# KiCad board MSX OPL4 Wozblaster.kicad_pcb
title: The Wozblaster Reloaded; date: 2023-01-01; rev: 1.1; note: Reloaded by Cristiano Goncalves; note: Original project by Gustavo Iriarte; note: The Retro Hacker
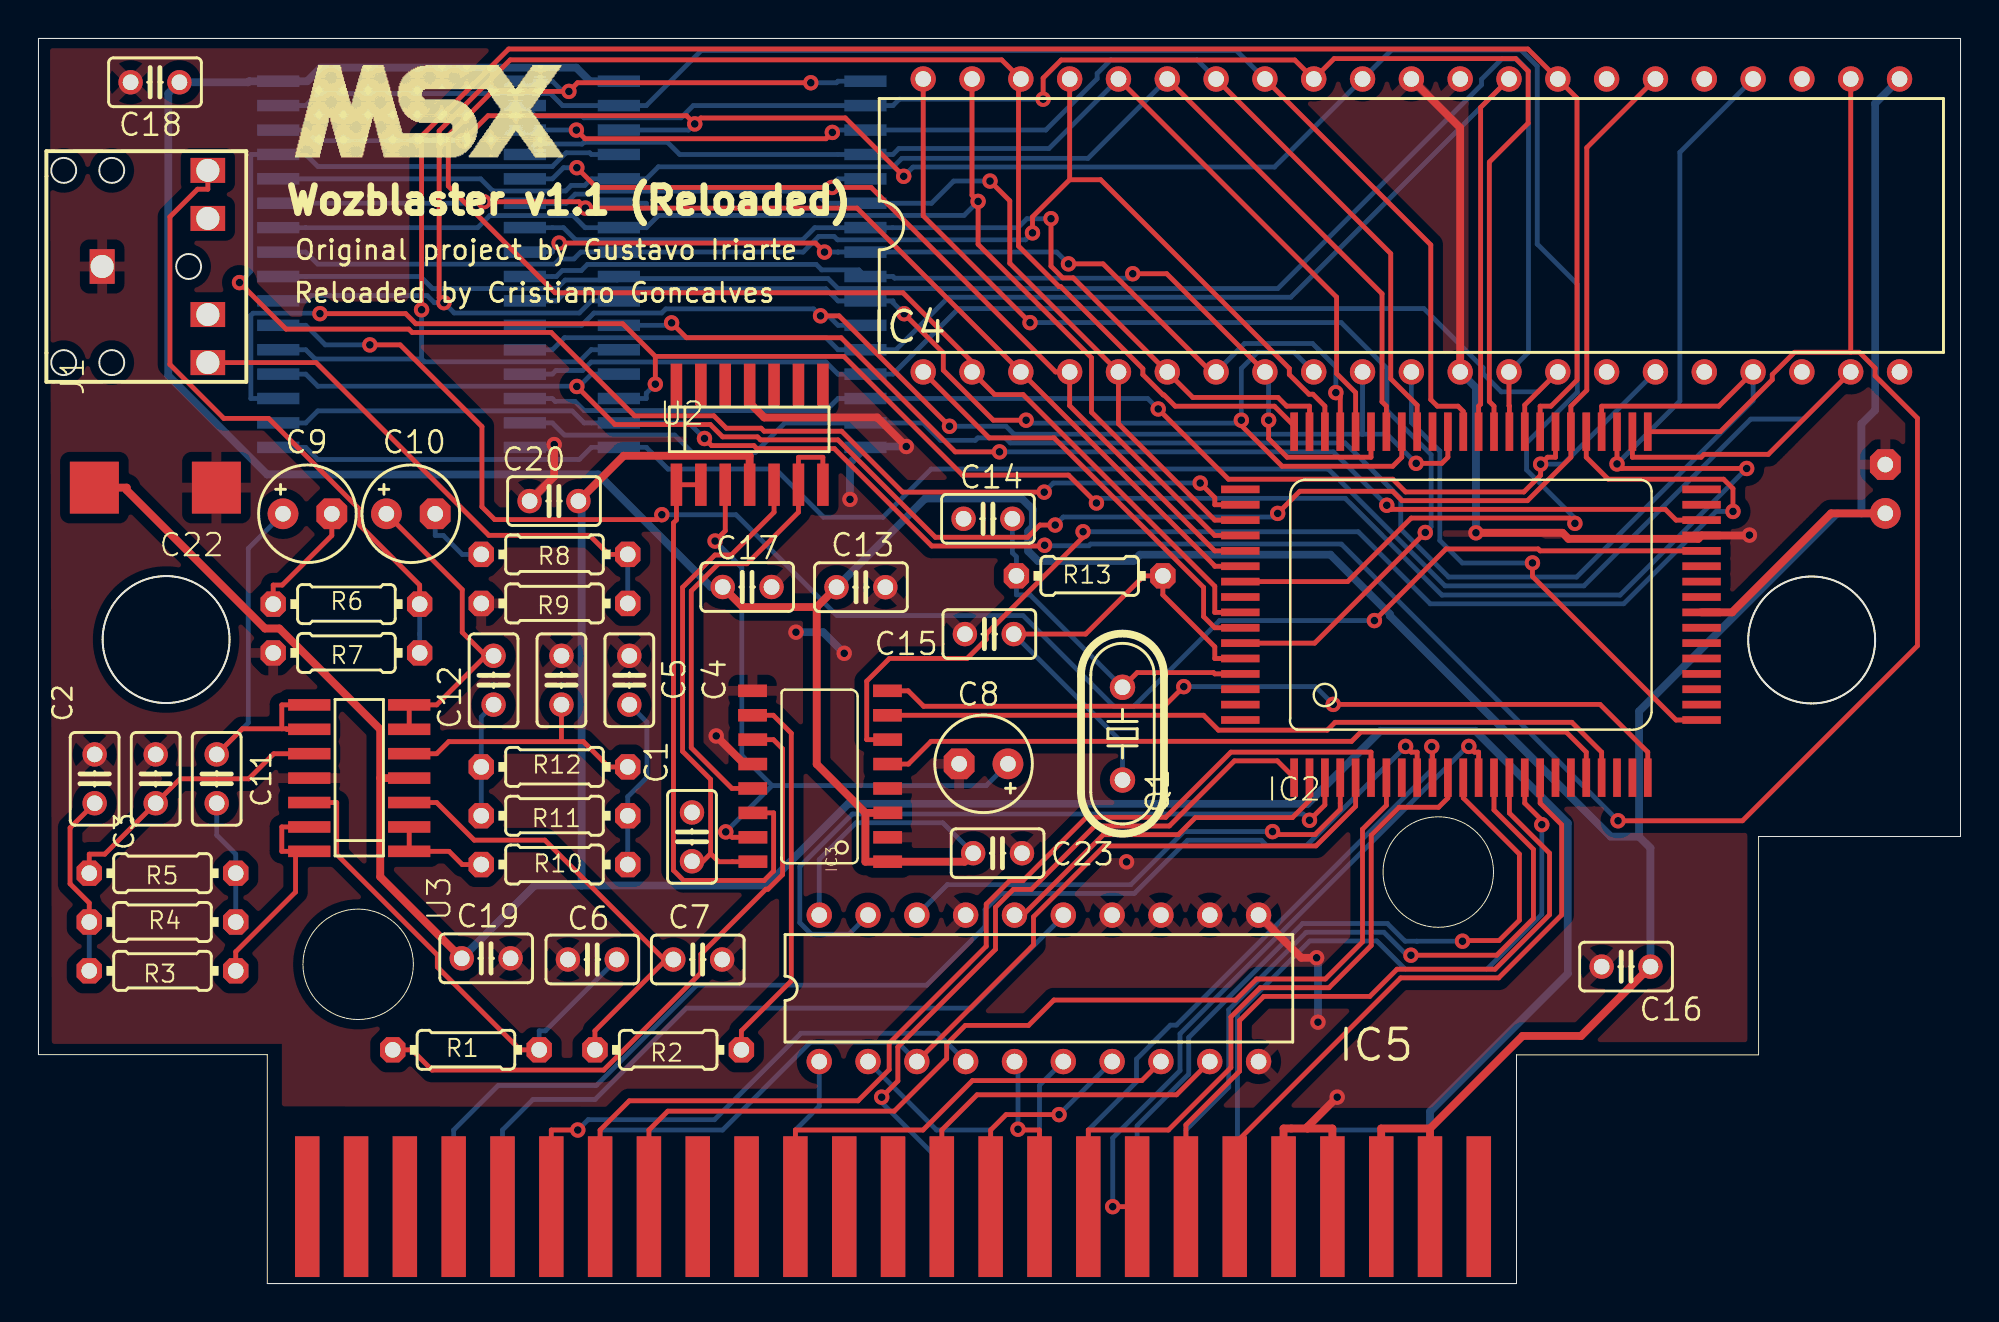
[diagram p0: board, top side]
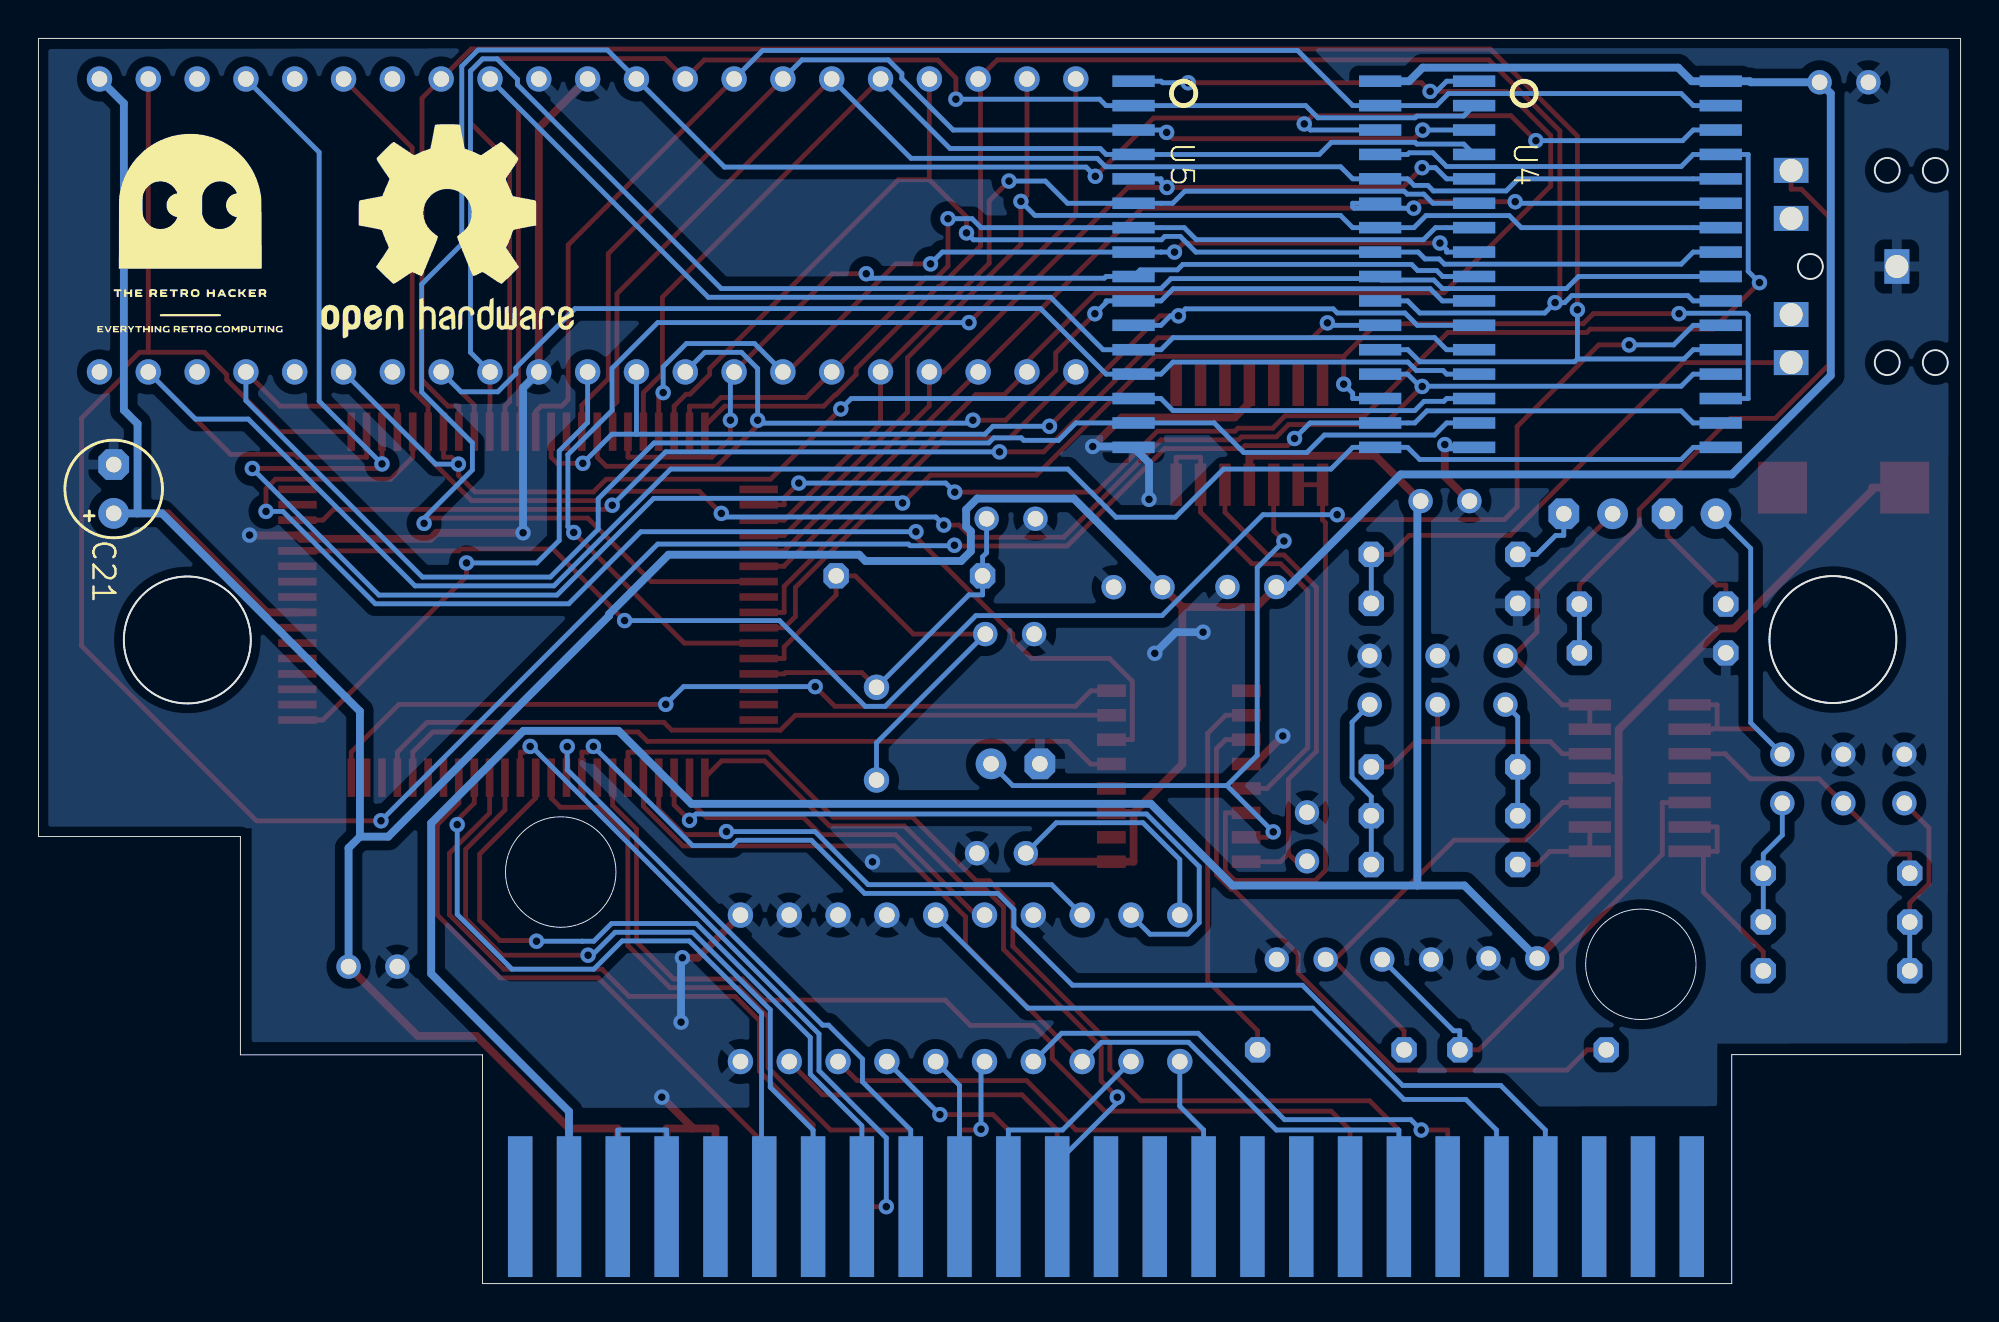
[diagram p1: board, bottom side, seen from below]

Outline 100.01 x 64.78 mm; copper layers: Top, Bottom. Coordinates in mm from the lower left corner of the outline.
Stack: Top 0.035mm / dielectric 1.51mm FR4 er 4.5 / Bottom 0.035mm

## Placement (name value [footprint] x y rotation side)
C1  10pF  [C2.5-2]  34.01 23.24 270 top
C2  330nF  [C2.5-2]  2.92 26.26 90 top
C3  2.2nF  [C2.5-2]  6.1 26.26 90 top
C4  15nF  [C2.5-2]  30.74 31.39 90 top
C5  2.2nF  [C2.5-2]  27.21 31.39 90 top
C6  2.2nF  [C2.5-2]  28.82 16.86 180 top
C7  2.2nF  [C2.5-2]  34.3 16.86 0 top
C8  10uF 16V  [E2,5-5]  49.17 27.04 180 top
C9  22uF 16v  [E2,5-5]  14 40.05 0 top
C10  22uF 16v  [E2,5-5]  19.38 40.05 0 top
C11  15nF  [C2.5-2]  9.28 26.26 90 top
C12  330nF  [C2.5-2]  23.68 31.39 90 top
C13  100nF  [C2.5-2]  42.8 36.23 0 top
C14  12pF  [C2.5-2]  49.41 39.79 180 top
C15  12pF  [C2.5-2]  49.48 33.79 180 top
C16  100nF  [C2.5-2]  82.61 16.49 180 top
C17  100nF  [C2.5-2]  36.88 36.24 0 top
C18  100nF  [C2.5-2]  6.06 62.5 180 top
C19  100nf  [C2.5-2]  23.3 16.92 0 top
C20  100nf  [C2.5-2]  26.83 40.71 180 top
C21  4.7uF 16v  [E2,5-5]  96.1 41.34 90 bottom
C22  D 470uF 16V (Tantalum)  [D_7343-31R]  6.09 41.41 180 top
C23  100nF  [C2.5-2]  49.91 22.39 0 top
GTRH  LOGO  [TRH]  92.08 54.7 180 bottom
IC1  OPL4_10X10  [OPL410X10]  48.2 36.9 180 bottom
IC2  YMF278B-F  [80-QFP]  74.43 35.62 0 top
IC3  YAC513-M  [16SOP]  43.33 21.75 90 top
IC4  27c160  [DIL42]  71.43 55.05 0 top
IC5  GAL16V8D  [DIL20]  52.05 15.36 0 top
J1  -  [PJ-307]  0.31 52.92 90 top
LOGO_MSX  -  [LOGO_MSX]  12.3 64.3 0 top
Q1  33.8688  [HC49_S]  56.41 28.61 270 top
R1  360  [0204_7]  22.25 12.16 0 top
R2  360  [0204_7]  32.77 12.16 180 top
R3  1k  [0204_7]  6.45 16.27 180 top
R4  1k  [0204_7]  6.45 18.81 0 top
R5  1k  [0204_7]  6.45 21.35 180 top
R6  1K  [0204_7]  16.03 35.35 0 top
R7  100k  [0204_7]  16.03 32.81 180 top
R8  1k  [0204_7]  26.85 37.94 180 top
R9  100k  [0204_7]  26.85 35.39 180 top
R10  1k  [0204_7]  26.85 21.8 0 top
R11  1k  [0204_7]  26.85 24.34 180 top
R12  1k  [0204_7]  26.85 26.88 0 top
R13  3.3k  [0204_7]  54.7 36.82 0 top
REF**  -  [OSHW-Logo2_14.6x12mm_SilkScreen]  78.73 54.76 180 bottom
U2  LF347  [SO14-2]  37.01 44.16 0 top
U3  LF347  [SO14-2]  16.69 26.3 90 top
U4  KM684000ALG  [SOP32L]  18.89 53.03 270 bottom
U5  KM684000ALG  [SOP32L]  36.61 53.03 270 bottom

## Footprints (pads in the part's own frame, mm; a bottom-side part is the same pattern mirrored in y, then rotated)
16SOP
  rect 0.65x1.5 smd: 1(0.2,-0.86) 2(1.47,-0.86) 3(2.74,-0.87) 4(4.01,-0.86) 5(5.28,-0.86) 6(6.55,-0.86) 7(7.82,-0.85) 8(9.09,-0.85) 9(9.09,6.17) 10(7.82,6.17) 11(6.55,6.16) 12(5.28,6.16) 13(4.01,6.16) 14(2.74,6.15) 15(1.47,6.15) 16(0.2,6.15)
80-QFP
  rect 0.4x2 smd: 1.A0(-9.1,-9.3) 2.A1(-8.3,-9.3) 3.A2(-7.5,-9.3) 4./CS(-6.7,-9.3) 5./RD(-5.9,-9.3) 6./WR(-5.1,-9.3) 7./IC(-4.3,-9.3) 8.VDD(-3.5,-9.3) 9./IRQ(-2.7,-9.3) 10./D0(-1.9,-9.3) 11.D1(-1.1,-9.3) 12.D2(-0.3,-9.3) 13.D3(0.5,-9.3) 14.D4(1.3,-9.3) 15.D5(2.1,-9.3) 16.D6(2.9,-9.3) 17.D7(3.7,-9.3) 18.VSS(4.5,-9.3) 19.CLKO(5.3,-9.3) 20.BCO(6.1,-9.3) 21.LRO(6.9,-9.3) 22.DO0(7.7,-9.3) 23.DO1(8.5,-9.3) 24.DO2(9.3,-9.3) 41.WD4(9.3,8.7) 42.WD3(8.5,8.7) 43.WD5(7.7,8.7) 44.WD2(6.9,8.7) 45.WCO(6.1,8.7) 46.MD6(5.3,8.7) 47.MD1(4.5,8.7) 48.MD7(3.7,8.7) 49.MD0(2.9,8.7) 50./MRD(2.1,8.7) 51./MA16(1.3,8.7) 52.MA0(0.5,8.7) 53.MA15(-0.3,8.7) 54.MA1(-1.1,8.7) 55.VDD(-1.9,8.7) 56.MA14(-2.7,8.7) 57.MA2(-3.5,8.7) 58.MA13(-4.3,8.7) 59.MA3(-5.1,8.7) 60.MA12(-5.9,8.7) 61.MA4(-6.7,8.7) 62.MA11(-7.5,8.7) 63.MA5(-8.3,8.7) 64.MA10(-9.1,8.7)
  rect 2x0.4 smd: 25./MCS0(12.1,-6.3) 26./MCS1(12.1,-5.5) 27./MCS2(12.1,-4.7) 28./MCS3(12.1,-3.9) 29./MCS4(12.1,-3.1) 30./MCS5(12.1,-2.3) 31.N.C(12.1,-1.5) 32.VDD(12.1,-0.7) 33.N.C(12.1,0.1) 34.N.C(12.1,0.9) 35.N.C(12.1,1.7) 36./MCS6(12.1,2.5) 37.VSS(12.1,3.3) 38./MCS7(12.1,4.1) 39./MSC8(12.1,4.9) 40./MCS9(12.1,5.7) 65.VSS(-11.9,5.7) 66./MWR(-11.9,4.9) 67.MA6(-11.9,4.1) 68.MA9(-11.9,3.3) 69.MA7(-11.9,2.5) 70.MA8(-11.9,1.7) 71.MA17(-11.9,0.9) 72.VDD(-11.9,0.1) 73.MA18(-11.9,-0.7) 74.MA19(-11.9,-1.5) 75.MA20(-11.9,-2.3) 76.XO(-11.9,-3.1) 77.XI(-11.9,-3.9) 78.VSS(-11.9,-4.7) 79./TST1(-11.9,-5.5) 80./TST2(-11.9,-6.3)
0204_7
  rrect 1.321x1.321 hole 0.813: 1(-3.81,0) 2(3.81,0)
C2.5-2
  round 1.27 hole 0.813: 1(-1.27,0) 2(1.27,0)
D_7343-31R
  rect 2.55x2.7 smd: +(3.175,0) -(-3.175,0)
DIL20
  round 1.321 hole 0.813: 1(-11.43,-3.81) 2(-8.89,-3.81) 3(-6.35,-3.81) 4(-3.81,-3.81) 5(-1.27,-3.81) 6(1.27,-3.81) 7(3.81,-3.81) 8(6.35,-3.81) 9(8.89,-3.81) 10(11.43,-3.81) 11(11.43,3.81) 12(8.89,3.81) 13(6.35,3.81) 14(3.81,3.81) 15(1.27,3.81) 16(-1.27,3.81) 17(-3.81,3.81) 18(-6.35,3.81) 19(-8.89,3.81) 20(-11.43,3.81)
DIL42
  round 1.321 hole 0.813: 1(-25.4,-7.62) 2(-22.86,-7.62) 3(-20.32,-7.62) 4(-17.78,-7.62) 5(-15.24,-7.62) 6(-12.7,-7.62) 7(-10.16,-7.62) 8(-7.62,-7.62) 9(-5.08,-7.62) 10(-2.54,-7.62) 11(0,-7.62) 12(2.54,-7.62) 13(5.08,-7.62) 14(7.62,-7.62) 15(10.16,-7.62) 16(12.7,-7.62) 17(15.24,-7.62) 18(17.78,-7.62) 19(20.32,-7.62) 20(22.86,-7.62) 21(25.4,-7.62) 22(25.4,7.62) 23(22.86,7.62) 24(20.32,7.62) 25(17.78,7.62) 26(15.24,7.62) 27(12.7,7.62) 28(10.16,7.62) 29(7.62,7.62) 30(5.08,7.62) 31(2.54,7.62) 32(0,7.62) 33(-2.54,7.62) 34(-5.08,7.62) 35(-7.62,7.62) 36(-10.16,7.62) 37(-12.7,7.62) 38(-15.24,7.62) 39(-17.78,7.62) 40(-20.32,7.62) 41(-22.86,7.62) 42(-25.4,7.62)
E2,5-5
  round 1.6 hole 0.813: +(-1.27,0)
  rrect 1.6x1.6 hole 0.813: -(1.27,0)
HC49_S
  round 1.321 hole 0.813: 1(-2.413,0) 2(2.413,0)
OPL410X10
  rect 1.27x7.32 smd far side: +5V1(-24.2,-32.9) +5V2(-21.66,-32.9) /CS1(34.22,-32.9) /CS12(31.68,-32.9) /IORQ(21.52,-32.9) /M1(24.06,-32.9) /RESET(16.44,-32.9) /RESV2(29.14,-32.9) /WAIT(26.6,-32.9) /WR(18.98,-32.9) A1(1.2,-32.9) A3(-1.34,-32.9) A5(-3.88,-32.9) A7(8.82,-32.9) A9(13.9,-32.9) A11(11.36,-32.9) A12(6.28,-32.9) A14(3.74,-32.9) D1(-6.42,-32.9) D3(-8.96,-32.9) D5(-11.5,-32.9) D7(-14.04,-32.9) GND1(-19.12,-32.9) GND2(-16.58,-32.9) SOUNDIN(-26.74,-32.9)
  rect 1.27x7.32 smd: +12V(-24.2,-32.9) -12V(-26.74,-32.9) /BUSDIR(24.06,-32.9) /CS2(34.22,-32.9) /INT(26.6,-32.9) /MREQ(21.52,-32.9) /RD(18.98,-32.9) /RESV1(16.44,-32.9) /RFSH(29.14,-32.9) /SLTSL(31.68,-32.9) A0(1.2,-32.9) A2(-1.34,-32.9) A4(-3.88,-32.9) A6(8.82,-32.9) A8(6.28,-32.9) A10(11.36,-32.9) A13(3.74,-32.9) A15(13.9,-32.9) CLOCK(-16.58,-32.9) D0(-6.42,-32.9) D2(-8.96,-32.9) D4(-11.5,-32.9) D6(-14.04,-32.9) SW1(-19.12,-32.9) SW2(-21.66,-32.9)
PJ-307
  rect 1.8x1.3 hole 1.2: 1(0,-3)
  rect 1.3x1.8 hole 1.2: 2(5,-8.5) 3(2.5,-8.5) 4(-2.5,-8.5) 5(-5,-8.5)
SO14-2
  rect 0.6x2.2 smd: 1(-3.81,-2.6) 2(-2.54,-2.6) 3(-1.27,-2.6) 4(0,-2.6) 5(1.27,-2.6) 6(2.54,-2.6) 7(3.81,-2.6) 8(3.81,2.6) 9(2.54,2.6) 10(1.27,2.6) 11(0,2.6) 12(-1.27,2.6) 13(-2.54,2.6) 14(-3.81,2.6)
SOP32L
  rect 0.6x2.2 smd: 1(-9.525,-6.416) 2(-8.255,-6.416) 3(-6.985,-6.416) 4(-5.715,-6.416) 5(-4.445,-6.416) 6(-3.175,-6.416) 7(-1.905,-6.416) 8(-0.635,-6.416) 9(0.635,-6.416) 10(1.905,-6.416) 11(3.175,-6.416) 12(4.445,-6.416) 13(5.715,-6.416) 14(6.985,-6.416) 15(8.255,-6.416) 16(9.525,-6.416) 17(9.525,6.416) 18(8.255,6.416) 19(6.985,6.416) 20(5.715,6.416) 21(4.445,6.416) 22(3.175,6.416) 23(1.905,6.416) 24(0.635,6.416) 25(-0.635,6.416) 26(-1.905,6.416) 27(-3.175,6.416) 28(-4.445,6.416) 29(-5.715,6.416) 30(-6.985,6.416) 31(-8.255,6.416) 32(-9.525,6.416)

## Nets
+12V: C19.1 C20.1 C22.+ IC1.+12V U2.4 U3.4
GND: C1.1 C2.2 C3.2 C4.2 C5.2 C6.2 C7.2 C8.- C13.2 C14.2 C15.2 C16.2 C17.2 C18.2 C19.2 C20.2 C21.- C22.- C23.2 IC1.GND1 IC1.GND2 IC2.37.VSS IC3.2 IC3.4 IC3.9 IC3.12 IC4.12 IC4.31 IC4.32 IC5.10 IC5.11 IC5.12 IC5.13 IC5.14 IC5.17 J1.1 R7.2 R9.2 U2.11 U3.11 U4.16 U5.16
VCC: C13.1 C16.1 C17.1 C18.1 C21.+ C23.1 IC1.+5V1 IC1.+5V2 IC2.32.VDD IC3.1 IC3.3 IC4.22 IC5.20 U4.32 U5.32
A0: IC2.52.MA0 IC4.30 U4.12 U5.12
A1: IC2.54.MA1 IC4.10 U4.11 U5.11
A2: IC2.57.MA2 IC4.9 U4.10 U5.10
A3: IC2.59.MA3 IC4.8 U4.9 U5.9
A4: IC2.61.MA4 IC4.7 U4.8 U5.8
A5: IC2.63.MA5 IC4.6 U4.7 U5.7
A6: IC2.67.MA6 IC4.5 U4.6 U5.6
A7: IC2.69.MA7 IC4.4 U4.5 U5.5
A8: IC2.70.MA8 IC4.3 U4.27 U5.27
A9: IC2.68.MA9 IC4.41 U4.26 U5.26
A10: IC2.64.MA10 IC4.40 U4.23 U5.23
A11: IC2.62.MA11 IC4.39 U4.25 U5.25
A12: IC2.60.MA12 IC4.38 U4.4 U5.4
A13: IC2.58.MA13 IC4.37 U4.28 U5.28
A14: IC2.56.MA14 IC4.36 U4.3 U5.3
A15: IC2.53.MA15 IC4.35 U4.31 U5.31
A16: IC2.51./MA16 IC4.34 U4.2 U5.2
A17: IC2.71.MA17 IC4.33 U4.30 U5.30
A18: IC2.73.MA18 IC4.2 U4.1 U5.1
A19: IC2.74.MA19 IC4.1
A20: IC2.75.MA20 IC4.42
AA0: IC1.A0 IC2.1.A0
AA1: IC1.A1 IC5.9
AA2: IC1.A2 IC5.2
AA3: IC1.A3 IC5.7
AA4: IC1.A4 IC5.6
AA5: IC1.A5 IC5.5
AA6: IC1.A6 IC5.1
AA7: IC1.A7 IC5.8
MD0: IC2.49.MD0 IC4.14 U4.13 U5.13
MD1: IC2.47.MD1 IC4.16 U4.14 U5.14
MD2: IC2.44.WD2 IC4.18 U4.15 U5.15
MD3: IC2.42.WD3 IC4.20 U4.17 U5.17
MD4: IC2.41.WD4 IC4.23 U4.18 U5.18
MD5: IC2.43.WD5 IC4.25 U4.19 U5.19
MD6: IC2.46.MD6 IC4.27 U4.20 U5.20
MD7: IC2.48.MD7 IC4.29 U4.21 U5.21
N$1: IC1.D0 IC2.10./D0
N$2: IC1.D1 IC2.11.D1
N$3: IC1.D2 IC2.12.D2
N$4: IC1.D3 IC2.13.D3
N$5: IC1.D4 IC2.14.D4
N$6: IC1.D5 IC2.15.D5
N$7: IC1.D6 IC2.16.D6
N$8: IC1.D7 IC2.17.D7
N$9: IC1./RD IC2.5./RD IC5.3
N$10: IC1./IORQ IC5.4
N$11: IC2.3.A2 IC5.19
N$12: IC2.4./CS IC5.18
N$13: IC2.2.A1 IC5.16
N$14: IC1./BUSDIR IC5.15
N$15: C1.2 IC3.16 U2.5
N$16: IC3.14 U2.1 U2.2
N$17: IC3.11 R1.1
N$18: C6.1 R1.2 U3.12
N$19: R3.1 U3.13 U3.14
N$20: C2.1 R3.2 R4.1
N$21: C11.1 R4.2 R5.1
N$22: C3.1 R5.2 U3.10
N$23: C9.+ C11.2 U3.8 U3.9
N$24: C10.- R8.2
N$25: J1.2 R6.2 R7.1
N$26: C7.1 R2.2 U3.3
N$27: R10.1 U3.1 U3.2
N$28: C4.1 R10.2 R11.1
N$29: C12.1 R11.2 R12.1
N$30: C5.1 R12.2 U3.5
N$31: C10.+ C12.2 U3.6 U3.7
N$32: C9.- R6.1
N$33: J1.5 R8.1 R9.1
N$34: IC3.10 R2.1
N$35: C8.+ IC3.15 U2.3
N$36: IC3.13 U2.6 U2.7
N$37: IC2.20.BCO IC3.5
N$38: IC2.45.WCO IC3.6
N$39: IC2.21.LRO IC3.7
N$40: IC2.24.DO2 IC3.8
N$41: C15.1 IC2.76.XO Q1.2 R13.2
N$42: C14.1 IC2.77.XI Q1.1 R13.1
N$43: IC2.25./MCS0 IC4.11
N$44: IC2.50./MRD IC4.13 U4.24 U5.24
N$45: IC2.36./MCS6 U4.22
N$46: IC2.38./MCS7 U5.22
N$47: IC2.66./MWR U4.29 U5.29
N$48: IC1.SW1 IC1.SW2
N$50: IC1./WR IC2.6./WR
N$51: IC1./INT IC2.9./IRQ
N$52: IC1./RESET IC2.7./IC

Pads without a net: IC1 -12V /CS1 /CS2 /CS12 /M1 /MREQ /RESV1 /RESV2 /RFSH /SLTSL /WAIT A8 A9 A10 A11 A12 A13 A14 A15 CLOCK SOUNDIN; IC2 8.VDD 18.VSS 19.CLKO 22.DO0 23.DO1 26./MCS1 27./MCS2 28./MCS3 29./MCS4 30./MCS5 31.N.C 33.N.C 34.N.C 35.N.C 39./MSC8 40./MCS9 55.VDD 65.VSS 72.VDD 78.VSS 79./TST1 80./TST2; IC4 15 17 19 21 24 26 28; J1 3 4; U2 8 9 10 12 13 14

## Via types
v1: diameter 0.8, hole 0.4, Top to Bottom, 87 vias

## Routing (per net, layer and track width the routed paths; a pad name or vN(x,y) marks a point on that pad's centre or on a via; arc(x,y) is an arc through that point)
+12V: length 154.2
  Top w0.406: 17.78,26.3 17.78,28.83 12.54,34.08 11.79,34.08 4.59,41.28 4.59,41.41 2.91,41.41 ; 17.78,26.3 U3.4 ; 17.78,26.3 17.78,21.16 C19.1 ; U2.4 37.01,43.07 30.45,43.07 C20.1
  Bottom w0.406: 28.26,20.71 28.26,40.54 C20.1 ; 28.26,20.71 37.88,20.71 42.13,24.96 66.03,24.96 69.83,28.76 74.77,28.76 79.58,23.95 79.58,16.12 72.41,8.95 IC1.+12V ; 28.26,20.71 25.81,20.71 C19.1
GND: length 85.4
  Top w0.406: U2.11 37.01,45.82 37.76,45.06 43.64,45.06 v1(45.16,43.55) ; v1(66.51,16.95) 65.7,16.95 IC5.11 ; IC4.32 73.98,60.13 IC4.12 ; v1(26.84,43.65) 26.84,41.99 C20.2 ; IC3.12 36.73,27.03 v1(35.27,28.49) ; 66.03,8.07 67.33,8.07 IC1.GND1 ; 66.03,8.07 66.03,8.16 v1(67.58,9.7) ; 66.03,8.07 64.79,8.07 IC1.GND2 ; v1(89.02,38.94) 89.01,38.92 IC2.37.VSS 86.36,38.75 79.61,38.75 79.3,39.06 v1(74.8,39.06)
  Bottom w0.406: v1(39.42,33.89) 40.83,33.89 v1(41.92,32.79) ; v1(42.23,40.8) 42.23,42.7 U5.16 43.08,43.55 v1(45.16,43.55) ; IC4.12 74.8,46.61 v1(74.8,39.06) ; v1(66.58,13.6) 66.58,16.88 v1(66.51,16.95) ; v1(26.84,43.65) 26.69,43.51 U4.16
  vias: v1(56.61,21.94)
VCC: length 257
  Top w0.406: 72.41,8.07 77.22,12.88 80.27,12.88 C16.1 ; 72.41,8.07 69.86,8.07 IC1.+5V2 ; 72.41,8.07 IC1.+5V1 ; C21.+ 93.27,40.07 88.12,34.92 IC2.32.VDD ; IC3.3 43.03,24.49 ; 40.49,35.2 40.49,27.02 43.03,24.49 ; 40.49,35.2 36.65,35.2 C17.1 ; 40.49,35.2 C13.1 ; 43.03,24.49 43.03,21.95 IC3.1 48.19,21.95 C23.1
  Bottom w0.25: C23.1 47.05,23.98 42.54,23.98 40.63,22.06 IC5.20
  Bottom w0.406: C16.1 83.88,22.66 83.28,23.25 ; 94.85,40.07 C21.+ ; 94.85,40.07 93.58,40.07 83.28,29.77 83.28,23.25 ; 94.85,40.07 94.85,44.73 95.57,45.44 95.57,61.4 IC4.22 ; C13.1 46.14,40.84 51.17,40.84 51.74,40.27 51.74,39.38 51.5,39.14 51.5,38.1 52,37.59 56.98,37.59 57.31,37.92 67.23,37.92 70.32,34.83 70.32,34.74 81.81,23.25 83.28,23.25 ; C17.1 34.99,36.24 29.13,42.1 11.9,42.1 6.75,47.24 6.75,61.92 C18.1 10.92,62.5 10.97,62.56 U4.32 13.99,62.56 14.69,63.26 27.99,63.26 28.69,62.56 U5.32
A0: length 76.6
  Top w0.25: IC2.52.MA0 74.93,45.65 75.04,45.75 75.04,61.19 IC4.30
  Bottom w0.25: IC4.30 65.16,51.31 47.34,51.31 44.61,48.59 U5.12 41.6,48.59 40.97,49.21 27.37,49.21 26.74,48.59 U4.12
A1: length 58.9
  Top w0.25: v1(71.68,42.68) 73.02,42.68 73.33,42.99 IC2.54.MA1 ; v1(40.69,50.35) 41.66,50.35 v1(47.4,44.6)
  Bottom w0.25: 68.89,44.19 50.76,44.19 50.34,44.6 v1(47.4,44.6) ; 68.89,44.19 IC4.10 ; 68.89,44.19 70.17,44.19 v1(71.68,42.68) ; U5.11 41.6,49.86 41.11,50.35 v1(40.69,50.35) 40.33,50.71 32.64,50.71 32.43,50.5 28.91,50.5 28.27,49.86 U4.11
A2: length 59.3
  Top w0.25: v1(62.59,44.92) 62.59,44.64 64.71,42.52 70.47,42.52 70.93,42.99 IC2.57.MA2 ; v1(45.04,50.46) 47.08,48.42 47.08,47.52 49.68,44.92 v1(51.39,44.92)
  Bottom w0.25: v1(45.04,50.46) 44.46,51.04 44.46,51.12 U5.10 41.6,51.12 40.97,51.76 27.59,51.76 26.96,51.12 U4.10 ; IC4.9 65.34,48.45 63.43,48.45 62.59,47.61 v1(62.59,44.92) 62.43,44.76 51.54,44.76 v1(51.39,44.92)
A3: length 51.9
  Top w0.25: v1(56.94,52.54) 58.71,52.54 IC4.8 ; v1(64.01,44.92) 64.01,43.95 64.97,42.99 69.33,42.99 IC2.59.MA3
  Bottom w0.25: v1(56.94,52.54) 56.71,52.31 44.55,52.31 44.46,52.4 43.03,52.4 42.69,52.74 40.75,52.74 40.47,53.02 28.56,53.02 28.24,52.7 27.26,52.7 26.95,52.4 25.31,52.4 ; v1(64.01,44.92) 64.01,47.24 IC4.8
A4: length 49.8
  Top w0.25: v1(67.5,46.35) 67.73,46.12 IC2.61.MA4 ; v1(40.9,53.67) 40.43,54.13 v1(27.09,54.13) ; v1(53.59,53.05) 55.4,53.05 61.02,47.43 IC4.7
  Bottom w0.25: v1(40.9,53.67) 41.6,53.67 41.6,53.67 U5.8 52.98,53.67 v1(53.59,53.05) ; v1(67.5,46.35) 67.5,47.7 66.29,48.91 62.75,48.91 IC4.7 ; v1(27.09,54.13) 26.74,53.78 26.74,53.67 U4.8
A5: length 48.4
  Top w0.25: IC2.63.MA5 66.14,45.65 64.95,45.65 64.5,46.1 60.06,46.1 IC4.6 53.84,52.32 53.29,52.32 52.68,52.93 v1(52.68,55.4)
  Bottom w0.25: U4.7 27.32,54.94 27.95,54.31 39.76,54.31 40.39,54.94 U5.7 50.96,54.94 51.43,55.4 v1(52.68,55.4)
A6: length 49
  Top w0.25: IC2.67.MA6 61.21,39.72 56.2,44.73 IC4.5 50.54,53.09 50.54,56.33 v1(49.51,57.36)
  Bottom w0.25: v1(49.51,57.36) 47.62,57.36 46.47,56.2 U5.6 40.99,56.2 40.36,56.83 28.95,56.83 28.8,56.68 27.93,56.68 27.45,56.2 U4.6
A7: length 48.8
  Top w0.25: v1(28.01,58.06) 29.04,57.03 v1(41.29,57.03) 43.33,57.03 52.92,47.43 IC4.4 53.66,45.67 61.21,38.12 IC2.69.MA7
  Bottom w0.25: v1(41.29,57.03) 41.6,57.34 41.6,57.48 43.03,57.48 ; 25.31,57.48 26.74,57.48 27.32,58.06 v1(28.01,58.06)
A8: length 62.8
  Top w0.25: v1(23.17,56.29) 28.12,56.29 v1(28.46,55.95) 42.59,55.95 IC4.3 61.21,37.34 61.21,37.32 IC2.70.MA8
  Bottom w0.25: U5.27 31.63,56.2 31.63,56.02 31.55,55.94 28.46,55.94 v1(28.46,55.95) ; v1(23.17,56.29) 23.09,56.2 U4.27
A9: length 67.8
  Top w0.25: IC2.68.MA9 61.21,38.92 54.79,45.33 54.79,48.17 48.89,54.07 v1(48.89,56.3) 48.58,56.62 IC4.41
  Bottom w0.25: U4.26 22.85,54.94 23.48,55.56 27.81,55.56 28.44,54.94 U5.26 31.63,54.94 32.27,55.57 48.16,55.57 v1(48.89,56.3)
A10: length 87.2
  Top w0.25: IC2.64.MA10 65.33,44.62 64.31,45.65 59.15,45.65 58.56,46.23 58.52,46.23 57.46,47.29 57.46,47.59 53.19,51.87 53.1,51.87 50.99,53.98 50.99,62.55 IC4.40 50.12,63.66 24.54,63.66 20.85,59.97 20.85,51.28 v1(21.1,51.03)
  Bottom w0.25: U4.23 13.91,51.12 14.18,51.4 20.23,51.4 20.6,51.03 v1(21.1,51.03) 21.64,50.5 28.14,50.5 28.77,51.12 U5.23
A11: length 68.8
  Top w0.25: IC2.62.MA11 66.93,45.65 66.31,46.27 66.11,46.27 65.09,47.29 65.09,47.61 55.27,57.43 53.66,57.43 ; 53.66,57.43 IC4.39 ; 53.66,57.43 51.72,55.5 v1(51.72,54.66)
  Bottom w0.25: U4.25 13.91,53.67 14.54,53.04 26.85,53.04 27.13,53.31 27.87,53.31 28.22,53.67 U5.25 39.79,53.67 40.6,54.48 41.4,54.48 41.58,54.3 51.36,54.3 v1(51.72,54.66)
A12: length 56.5
  Top w0.25: IC2.60.MA12 68.54,46.35 67.55,47.34 67.55,51.32 IC4.38
  Bottom w0.25: IC4.38 52.58,59.05 44.77,59.05 44.46,58.75 U5.4 33.36,58.75 32.74,59.37 28.38,59.37 28.29,59.28 25.85,59.28 U4.4
A13: length 72
  Top w0.25: IC4.37 69.91,51.5 69.91,45.88 70.14,45.65 IC2.58.MA13
  Bottom w0.25: 12.48,57.48 23.01,57.48 23.64,56.85 27.43,56.85 27.72,57.13 28.43,57.13 28.77,57.48 31.63,57.48 32.26,58.1 44.49,58.1 44.92,58.54 54.61,58.54 IC4.37
A14: length 61.1
  Top w0.25: v1(27.99,60.01) 28.44,59.56 40.98,59.56 v1(41.31,59.89) ; IC4.36 70.36,53.58 70.36,47.07 71.73,45.7 IC2.56.MA14
  Bottom w0.25: v1(41.31,59.89) 41.43,60.02 U5.3 52.42,60.02 55.09,62.68 55.09,62.96 55.79,63.67 60.28,63.67 IC4.36 ; v1(27.99,60.01) 27.99,60.02 U4.3
A15: length 76.9
  Top w0.25: IC4.35 72.45,54.04 72.45,45.99 72.79,45.65 73.86,45.65 74.14,45.38 IC2.53.MA15
  Bottom w0.25: IC4.35 62.33,64.16 34.5,64.16 31.63,61.28 U5.31 27.27,61.28 26.64,61.91 14.54,61.91 13.91,61.28 U4.31
A16: length 75.2
  Top w0.25: IC2.51./MA16 75.73,45.65 75.49,45.89 75.49,58.35 77.51,60.37 77.51,63.08 76.86,63.73 67.42,63.73 IC4.34 65.37,63.66 53.22,63.66 52.27,62.72 v1(52.27,61.62)
  Bottom w0.25: v1(52.27,61.62) 44.79,61.62 44.46,61.28 U5.2 34.07,61.28 33.44,60.65 28.38,60.65 28.29,60.74 25.86,60.74 U4.2
A17: length 120.7
  Top w0.25: v1(22.09,59.46) 23.39,60.76 33.72,60.76 v1(34.15,60.33) 34.46,60.64 41.99,60.64 v1(45.02,57.61) ; IC2.71.MA17 68.12,36.52 71.43,39.83 79.67,39.83 v1(79.95,39.55)
  Bottom w0.25: v1(79.95,39.55) 79.95,39.82 77.43,42.33 77.43,43.74 80.07,46.38 80.07,51.99 77.98,54.08 77.98,63.33 77.14,64.18 70.4,64.18 IC4.33 64.31,58.09 45.5,58.09 v1(45.02,57.61) ; U4.30 13.91,60.02 14.46,59.46 v1(22.09,59.46) ; v1(34.15,60.33) 33.83,60.02 U5.30
A18: length 79.5
  Top w0.25: IC2.73.MA18 61.21,34.92 61.21,36.28 51.23,46.25 49.75,46.25 IC4.2 48.58,47.96 44.98,51.55 26.88,51.55 21.33,57.1 21.33,59.73 23.62,62.02 v1(27.6,62.02) 28.05,62.47 v1(40.19,62.47)
  Bottom w0.25: v1(40.19,62.47) 41.52,62.47 41.6,62.56 U5.1 ; v1(27.6,62.02) 27.27,62.02 26.74,62.56 U4.1
A19: length 22.9
  Top w0.25: IC2.74.MA19 61.21,34.12 60.62,34.7 60.62,36.22 52.84,44 49.47,44 IC4.1
A20: length 56.2
  Top w0.25: IC2.75.MA20 66.4,33.32 v1(72.16,39.08) ; v1(51.59,50) 46.04,55.55 IC4.42
  Bottom w0.25: v1(72.16,39.08) 72.46,39.38 72.46,43.13 70.17,45.43 70.17,47.62 67.79,50 v1(51.59,50)
AA0: length 38.4
  Top w0.25: IC2.1.A0 64.46,27.2 62.23,27.2 58.84,23.81 54.96,23.81 51.66,20.51 50.72,20.51 49.8,19.58 49.8,17.39 44.72,12.31 44.72,10.54 v1(43.88,9.7)
  Bottom w0.25: v1(43.88,9.7) 43.88,9.42 47.01,6.29 IC1.A0
AA1: length 19.4
  Top w0.25: IC1.A1 47.01,7.99 48.84,9.82 59.22,9.82 IC5.9
AA2: length 11.8
  Bottom w0.25: IC5.2 46.73,7.99 49.55,7.99 IC1.A2
AA3: length 11.8
  Top w0.25: v1(53.11,8.79) 50.35,8.79 49.55,7.99 IC1.A3
  Bottom w0.25: IC5.7 v1(53.11,8.79)
AA4: length 8.1
  Bottom w0.25: IC1.A4 52.08,10.31 IC5.6
AA5: length 8.7
  Top w0.25: v1(50.97,8.03) 51.01,7.99 52.08,7.99 IC1.A5
  Bottom w0.25: IC5.5 50.97,11.37 v1(50.97,8.03)
AA6: length 8.1
  Bottom w0.25: IC1.A6 39.39,7.99 40.63,9.23 IC5.1
AA7: length 24.5
  Top w0.25: IC1.A7 39.39,7.99 46.02,7.99 48.6,10.56 57.42,10.56 IC5.8
MD0: length 61.9
  Top w0.25: IC2.49.MD0 77.33,45.71 IC4.14
  Bottom w0.25: IC4.14 78.02,46.39 76.11,46.39 75.17,47.34 75.17,47.64 72.09,50.72 47.87,50.72 44.46,47.31 U5.13 41.6,47.31 40.97,47.94 28.76,47.94 28.32,47.5 26.93,47.5 26.74,47.31 U4.13
MD1: length 66.5
  Top w0.25: IC2.47.MD1 78.93,42.99 78.52,42.99 v1(78.16,42.63) 78.16,42.06 77.29,41.18 71.13,41.18 70.47,41.85 61.92,41.85 v1(58.26,45.5)
  Bottom w0.25: U4.14 26.74,46.05 26.89,45.9 27.92,45.9 28.4,45.42 40.97,45.42 41.6,46.05 U5.14 57.72,46.05 v1(58.26,45.5) ; v1(78.16,42.63) 79.34,42.63 IC4.16
MD2: length 84.8
  Top w0.25: IC4.18 87.43,45.65 81.33,45.65 IC2.44.WD2
  Bottom w0.25: IC4.18 89.21,45.94 80.03,36.76 73.37,36.76 70.88,39.25 70.88,40.83 67.98,43.74 50.57,43.74 50.31,44 48.87,44 48.74,43.87 46.94,43.87 46.03,44.78 U5.15 38.83,44.78 37.3,43.24 34.01,43.24 33.1,44.15 27.37,44.15 26.74,44.78 U4.15
MD3: length 106.5
  Top w0.25: IC4.20 90.01,43.14 86.66,43.14 86.51,42.99 82.93,42.99 IC2.42.WD3
  Bottom w0.25: U4.17 13.91,43.51 14.54,42.88 28.14,42.88 28.77,43.51 U5.17 31.63,43.51 32.76,42.38 38.35,42.38 40.86,39.87 43.95,39.87 46.45,42.38 67.11,42.38 73.19,36.3 80.41,36.3 89.09,44.98 91.84,44.98 IC4.20
MD4: length 141.9
  Top w0.25: IC2.41.WD4 87.51,44.32 90.21,47.02 90.21,47.29 91.37,48.45 94.3,48.45 ; 94.3,48.45 94.75,48.45 95.57,47.63 95.57,47.23 97.77,45.02 97.77,33.18 88.66,24.08 v1(82.19,24.08) ; 94.3,48.45 IC4.23 ; v1(34.66,43.97) 35.02,43.6 37.22,43.6 37.38,43.44 41.41,43.44 46.48,38.37 52.31,38.37 v1(52.35,38.41)
  Bottom w0.25: v1(82.19,24.08) 67.79,38.47 54.74,38.47 54.65,38.39 52.38,38.39 v1(52.35,38.41) ; v1(34.66,43.97) 33.85,44.78 U5.18 28.4,44.78 27.77,45.4 14.54,45.4 13.91,44.78 U4.18
MD5: length 127.9
  Top w0.25: v1(14.65,50.46) 19.11,50.46 19.63,49.94 30.4,49.94 32.1,48.24 ; IC2.43.WD5 v1(82.14,42.64) 82.37,42.41 v1(88.88,42.41) ; 32.1,48.24 41.9,48.24 48.08,42.06 53.6,42.06 v1(55.05,40.61) ; 32.1,48.24 v1(32.1,46.79)
  Bottom w0.25: v1(82.14,42.64) 85.41,45.91 85.41,58.86 IC4.25 ; v1(88.88,42.41) 82.3,35.82 73.03,35.82 68,40.85 55.29,40.85 v1(55.05,40.61) ; U4.19 11.05,46.05 11.05,50.37 11.16,50.48 14.63,50.48 v1(14.65,50.46) ; v1(32.1,46.79) 31.63,46.32 31.63,46.05 U5.19
MD6: length 96.9
  Top w0.25: IC4.27 80.56,59.1 80.56,46.48 79.73,45.65 IC2.46.MD6 79.73,42.99 77.48,40.73 70.95,40.73 70.46,41.22 65.63,41.22 v1(64.48,40.07) ; v1(28.01,46.67) 29.99,44.69 34.96,44.69 35.6,44.05 37.41,44.05 37.57,43.89 41.6,43.89 46.67,38.83 51.47,38.83 52.11,39.46 v1(52.9,39.46)
  Bottom w0.25: v1(52.9,39.46) 53.32,39.88 64.29,39.88 v1(64.48,40.07) ; 28.01,46.69 14.54,46.69 13.91,47.31 U4.20 ; 28.01,46.69 28.14,46.69 28.77,47.31 U5.20 ; 28.01,46.69 v1(28.01,46.67)
MD7: length 111.4
  Top w0.25: IC2.48.MD7 78.14,45.65 78.7,45.65 80.05,47 80.05,61.67 IC4.29 77.5,64.23 24.46,64.23 19.94,59.7 v1(19.94,50.66)
  Bottom w0.25: 19.94,48.1 20.08,47.96 28.13,47.96 28.76,48.59 U5.21 ; 19.94,48.1 14.39,48.1 13.91,48.59 U4.21 ; 19.94,48.1 v1(19.94,50.66)
N$1: length 33.2
  Top w0.25: v1(72.5,27.94) 72.5,27.69 72.54,27.65 IC2.10./D0
  Bottom w0.25: v1(72.5,27.94) 72.5,26.73 59.21,13.45 58.9,13.45 57.14,11.68 57.14,10.5 54.63,7.99 IC1.D0
N$2: length 35.8
  Top w0.25: IC2.11.D1 73.33,25.26 72.85,24.78 70.8,24.78 69.35,23.32 69.35,17.59 67.15,15.39 63.57,15.39 62.04,13.87 62.04,11.24 58.79,7.99 54.63,7.99 IC1.D1
N$3: length 39
  Top w0.25: v1(74.1,17.81) 74.13,17.85 76,17.85 77.05,18.9 77.05,22.34 74.14,25.26 IC2.12.D2
  Bottom w0.25: IC1.D2 57.17,8.21 59.85,10.89 59.85,12.81 65.78,18.73 70.19,18.73 71.11,17.81 71.71,17.81 v1(74.1,17.81)
N$4: length 34.9
  Top w0.25: IC1.D3 v1(55.89,4) ; IC2.13.D3 74.93,27.65 74.72,27.65 v1(74.43,27.95)
  Bottom w0.25: v1(55.89,4) 55.89,7.58 59.4,11.08 59.4,12.99 74.35,27.95 v1(74.43,27.95)
N$5: length 38.2
  Top w0.25: IC2.14.D4 75.73,24.64 77.79,22.59 77.79,18.99 75.88,17.08 v1(71.41,17.08)
  Bottom w0.25: IC1.D4 59.7,7.99 61.93,10.22 61.93,14.25 65.96,18.28 70,18.28 71.2,17.08 v1(71.41,17.08)
N$6: length 37.2
  Top w0.25: IC2.15.D5 76.54,24.48 78.63,22.39 78.63,19.19 75.79,16.36 70.69,16.36 69.27,14.94 63.76,14.94 62.5,13.68 62.5,11.05 59.7,8.26 IC1.D5
N$7: length 36.8
  Top w0.25: v1(78.22,23.88) 78.22,24.11 77.33,24.99 IC2.16.D6
  Bottom w0.25: v1(78.22,23.88) 78.22,19.21 75.37,16.36 71.11,16.36 69.64,17.82 66.15,17.82 62.39,14.06 62.39,4.14 IC1.D6
N$8: length 32.8
  Top w0.25: IC1.D7 62.24,7.27 70.88,15.9 75.98,15.9 79.26,19.18 79.26,23.87 78.14,24.99 IC2.17.D7
N$9: length 53.4
  Top w0.25: IC5.3 51.77,17.62 51.77,19.08 55.47,22.77 66.47,22.77 68.54,24.83 IC2.5./RD
  Bottom w0.25: IC1./RD 29.23,7.99 35.6,7.99 40.16,12.55 44.7,12.55 IC5.3
N$10: length 28.2
  Top w0.25: v1(28.06,7.99) 26.69,7.99 IC1./IORQ
  Bottom w0.25: v1(28.06,7.99) 28.6,8.53 35.17,8.53 39.67,13.02 46.77,13.02 IC5.4
N$11: length 37.5
  Top w0.25: IC2.3.A2 66.93,24.9 v1(66.13,24.1)
  Bottom w0.25: IC5.19 42.17,18.18 40.21,18.18 39.61,18.77 39.61,21.69 42.35,24.43 65.81,24.43 v1(66.13,24.1)
N$12: length 26.1
  Top w0.25: v1(64.21,23.52) 64.37,23.36 66.42,23.36 67.73,24.67 IC2.4./CS
  Bottom w0.25: v1(64.21,23.52) 59.6,23.52 56.84,20.75 47.29,20.75 IC5.18
N$13: length 19
  Top w0.25: IC5.16 51.23,19.17 55.41,23.35 59.31,23.35 60.2,24.24 65.24,24.24 66.14,25.13 IC2.2.A1
N$14: length 37.8
  Bottom w0.25: IC1./BUSDIR 24.14,7.99 25.74,9.58 28.96,9.58 33.71,14.33 48.53,14.33 53.33,19.12 IC5.15
N$15: length 25.8
  Top w0.25: IC3.16 35.39,21.95 34.97,22.37 ; C1.2 34.58,21.97 34.97,22.37 ; U2.5 38.27,40.13 36.05,37.9 35.2,37.9 33.52,36.22 33.52,27.69 34.97,26.23 34.97,22.37
N$16: length 31.1
  Top w0.25: U2.2 U2.1 33.2,39.73 33.04,39.58 33.04,21.5 33.57,20.97 37.76,20.97 38.25,21.46 38.25,24.49 IC3.14
N$17: length 33.8
  Top w0.25: R1.1 19.43,12.16 20.48,11.11 29.41,11.11 34.47,16.16 34.47,17.13 37.85,20.52 37.96,20.52 38.72,21.28 38.72,27.82 38.24,28.3 IC3.11
N$18: length 25.8
  Top w0.25: U3.12 15.52,25.03 15.52,22.33 20.76,17.09 20.76,16.47 25.06,12.16 R1.2
  Bottom w0.25: R1.2 26.06,13.15 26.38,13.15 30.09,16.86
N$19: length 11.6
  Top w0.25: U3.13 12.66,23.76 12.66,22.49 13.38,22.49 ; R3.1 10.27,17.26 13.38,20.37 13.38,22.49 ; 13.38,22.49 U3.14
N$20: length 9.7
  Top w0.25: C2.1 1.65,23.71 1.65,20.8 2.64,19.8 R4.1
  Bottom w0.25: R4.1 R3.2
N$21: length 6.6
  Bottom w0.25: C11.1 9.28,23.33 10.27,22.34 R5.1 R4.2
N$22: length 14.6
  Top w0.25: U3.10 12.25,27.57 10.94,26.26 7.37,26.26 C3.1 3.45,22.34 2.64,22.34 R5.2
N$23: length 22
  Top w0.25: 12.66,28.86 12.66,30.11 U3.8 ; 12.66,28.86 10.61,28.86 C11.2 ; 12.66,28.86 12.9,28.86 12.93,28.84 U3.9
  Bottom w0.25: C9.+ 10.92,38.24 10.92,29.17 C11.2
N$24: length 3.9
  Bottom w0.25: R8.2 22.05,37.94 21.07,38.92 20.64,38.92 C10.-
N$25: length 33
  Top w0.25: R6.2 19.84,36.34 16.72,39.45 16.72,40.27 11.98,45.01 9.64,45.01 6.84,47.82 6.84,55.5 8.28,56.94 8.81,56.94 J1.2
  Bottom w0.25: R6.2 R7.1
N$26: length 23.3
  Top w0.25: R2.2 28.95,13.15 32.56,16.75 32.56,16.86 ; U3.3 20.72,25.03 22.68,23.07 26.35,23.07 32.56,16.86 ; 32.56,16.86 C7.1
N$27: length 5.3
  Top w0.25: R10.1 22.05,21.8 21.36,22.49 U3.1 U3.2
N$28: length 9.1
  Bottom w0.25: C4.1 31.66,29.2 31.66,26.33 30.66,25.33 R11.1 R10.2
N$29: length 6
  Bottom w0.25: R11.2 R12.1 23.04,29.48 C12.1
N$30: length 14.1
  Top w0.25: U3.5 20.72,27.57 21.35,28.19 27.21,28.19 ; 27.21,28.19 28.36,28.19 29.67,26.88 R12.2 ; 27.21,28.19 C5.1
N$31: length 16.2
  Top w0.25: U3.6 U3.7 20.72,30.11 23.27,32.66 ; C10.+ 22.05,36.1 22.05,33.88 23.27,32.66 ; C12.2 23.27,32.66
N$32: length 6.2
  Top w0.25: R6.1 12.22,36.34 12.69,36.34 15.27,38.92 C9.-
N$33: length 28.5
  Top w0.25: R8.1 29.67,37.94 28.68,38.93 23.44,38.93 14.45,47.92 J1.5
  Bottom w0.25: R9.1 R8.1
N$34: length 20
  Top w0.25: IC3.10 38.23,29.57 39.17,28.63 39.17,15.75 36.58,13.15 R2.1
N$35: length 34.8
  Top w0.25: v1(35.2,38.63) 35.73,39.16 U2.3 ; IC3.15 36.1,23.22 35.82,23.5 v1(35.76,23.5)
  Bottom w0.25: C8.+ 49.31,25.91 38.17,25.91 ; v1(35.2,38.63) 36.6,37.24 36.6,27.48 38.17,25.91 ; 38.17,25.91 v1(35.76,23.5)
N$36: length 25.1
  Top w0.25: IC3.13 36.09,25.76 33.97,27.88 33.97,36.03 35.38,37.45 36.86,37.45 39.55,40.13 U2.6 39.55,42.99 40.82,42.99 U2.7
N$37: length 38.8
  Top w0.25: IC3.5 45.26,27.03 46.45,28.21 68.32,28.21 68.81,28.7 79.49,28.7 80.54,27.65 IC2.20.BCO
N$38: length 67.1
  Top w0.25: v1(54.35,39.12) 54.35,38.83 49.31,33.79 49.31,33.52 48.32,32.52 44.28,32.52 43.1,31.34 43.1,28.31 43.11,28.3 IC3.6 ; IC2.45.WCO 80.54,42.99 81.68,41.85 87.68,41.85 88.17,41.36 v1(88.17,40.17)
  Bottom w0.25: v1(54.35,39.12) 68.67,39.12 72.42,35.37 82.48,35.37 87.29,40.17 v1(88.17,40.17)
N$39: length 39.6
  Top w0.25: IC3.7 60.62,29.57 61.4,28.79 67.06,28.79 67.47,29.2 79.78,29.2 81.33,27.65 IC2.21.LRO
N$40: length 43.1
  Top w0.25: IC2.24.DO2 83.73,27.65 81.25,30.13 v1(67.37,30.13) ; IC3.8 45.25,30.84 46.06,30.03 58.57,30.03 v1(59.59,31.06)
  Bottom w0.25: v1(59.59,31.06) 66.44,31.06 v1(67.37,30.13)
N$41: length 25.7
  Top w0.25: C15.1 54.48,33.79 57.51,36.82 R13.2 58.51,35.83 61.21,33.13 61.21,32.52 IC2.76.XO
  Bottom w0.25: Q1.2 56.41,28.13 C15.1
N$42: length 18
  Top w0.25: IC2.77.XI 61.21,31.72 61.14,31.78 57.17,31.78 Q1.1
  Bottom w0.25: C14.1 50.67,38.02 50.89,37.81 R13.1 50.89,35.83 51.6,35.83 Q1.1
N$43: length 27.3
  Top w0.25: IC2.25./MCS0 85.21,29.32 77.74,36.79 v1(77.74,37.49)
  Bottom w0.25: v1(77.74,37.49) 74.08,37.49 72.91,38.66 72.91,43.32 71.43,44.8 IC4.11
N$44: length 90.4
  Top w0.25: IC4.13 76.52,45.67 76.54,45.65 IC2.50./MRD
  Bottom w0.25: 30.2,52.28 30.2,52.4 ; 30.2,52.28 30.13,52.21 27.41,52.21 26.96,51.77 20.5,51.77 19.88,52.4 12.48,52.4 ; 30.2,52.28 41.08,52.28 41.6,51.77 64.48,51.77 75.08,62.37 75.08,62.66 76.14,63.72 76.9,63.72 77.53,63.09 77.53,48.45 IC4.13
N$45: length 88.4
  Top w0.25: v1(69.51,34.49) 73.24,38.22 78.04,38.22 78.14,38.12 IC2.36./MCS6 ; v1(17.24,48.84) 18.82,48.84 23.08,44.58 23.08,40.41 23.74,39.75 32.18,39.75 v1(32.44,40)
  Bottom w0.25: v1(69.51,34.49) 61.45,34.49 56.99,30.03 55.96,30.03 51.23,34.75 41.54,34.75 36.3,40 v1(32.44,40) ; U4.22 13.91,49.86 14.93,48.84 v1(17.24,48.84)
N$46: length 60.6
  Top w0.25: v1(70.16,40.49) 70.37,40.28 84.65,40.28 85.21,39.72 IC2.38./MCS7 ; v1(50.01,43.27) 47.71,43.27 41.77,49.21 33.72,49.21 v1(32.94,49.98)
  Bottom w0.25: v1(50.01,43.27) 67.38,43.27 v1(70.16,40.49) ; U5.22 32.82,49.86 v1(32.94,49.98)
N$47: length 84.1
  Top w0.25: v1(10.46,52.08) 12.88,49.66 19.27,49.66 19.45,49.48 26.68,49.48 31.01,45.15 35.14,45.15 35.79,44.5 37.6,44.5 37.76,44.35 41.79,44.35 44.96,41.17 v1(52.33,41.17) ; v1(60.45,41.65) 61.21,40.89 61.21,40.52 IC2.66./MWR
  Bottom w0.25: v1(52.33,41.17) 52.8,41.65 v1(60.45,41.65) ; v1(10.46,52.08) 11.05,52.67 11.05,58.75 U4.29 13.91,58.75 14.54,58.12 26.74,58.12 27.45,58.83 28.69,58.83 28.77,58.75 U5.29
N$48: length 10.5
  Bottom w0.25: IC1.SW1 67.33,7.99 69.86,7.99 IC1.SW2
N$50: length 55.7
  Top w0.25: IC2.6./WR 69.33,27.65 62.04,27.65 58.65,24.26 54.52,24.26 51.23,20.96 50.54,20.96 49.31,19.74 49.31,17.55 44.26,12.5 44.26,11.13 42.64,9.51 30.74,9.51 29.23,7.99 IC1./WR
N$51: length 64.6
  Top w0.25: v1(71.14,27.95) 71.43,27.65 71.73,27.65 IC2.9./IRQ
  Bottom w0.25: v1(71.14,27.95) 65.98,22.79 63.91,22.79 63.63,23.06 59.79,23.06 57.03,20.3 50.1,20.3 49.26,19.46 49.26,18.57 46.21,15.52 34.24,15.52 29.03,10.31 23.92,10.31 21.61,7.99 IC1./INT
N$52: length 54.7
  Top w0.25: IC2.7./IC 70.14,24.88 68.89,23.64 68.89,17.78 66.96,15.85 63.38,15.85 62.28,14.75 52.83,14.75 51.52,13.43 48.23,13.43 47.26,12.46 47.26,11.7 44.53,8.97 32.75,8.97 31.77,7.99 IC1./RESET

## Copper pours and planes (outline as drawn; the poured copper is in the pictures)
GND on Top: 99.48,64.23 99.67,23.69 88.92,23.69 88.92,12.56 76.2,12.56 76.2,9.13 12.67,9.22 12.67,12.47 0.7,12.47 0.61,64.32
GND on Bottom: 99.49,64.23 99.67,23.68 88.92,23.69 88.92,12.56 76.2,12.56 76.2,9.13 12.67,9.23 12.66,12.48 0.67,12.5 0.61,64.32 0.61,64.38 0.7,64.38

## Text on the board
B.Fab: 2 | KM684000ALG | 16Mbit SAMPLE ROM - Up to 8Mbit SRAM
User.Comments: 1K | c22 | 360 | c20 | 100K | c6 | c7 | c19 | c1 | LF347 | c8 | c13 | c17 | c16 | c4/5/12 | c23 | YAC513-M | c15 | c14 | 3.3K | c21 | c2/3/11 | R-CH | L-CH | GAL16V8D | YMF278B-F | 27C160
F.Silkscreen: Reloaded by Cristiano Goncalves | Original project by Gustavo Iriarte | Wozblaster v1.1 (Reloaded)
